# Altium PCB RTM_SFP.PcbDoc (part 4 of 17)
Units mil, origin at the board's own origin, x right, y up, seen from the top; angles counter-clockwise.
Board outline 7185 x 5846.5 mil, 4 copper layers (Top Layer, MidPlane_1, MidPlane_2, Bottom Layer), stack 63.553 mil thick; 389 components, 333 nets, 1578 pads, 1486 vias.
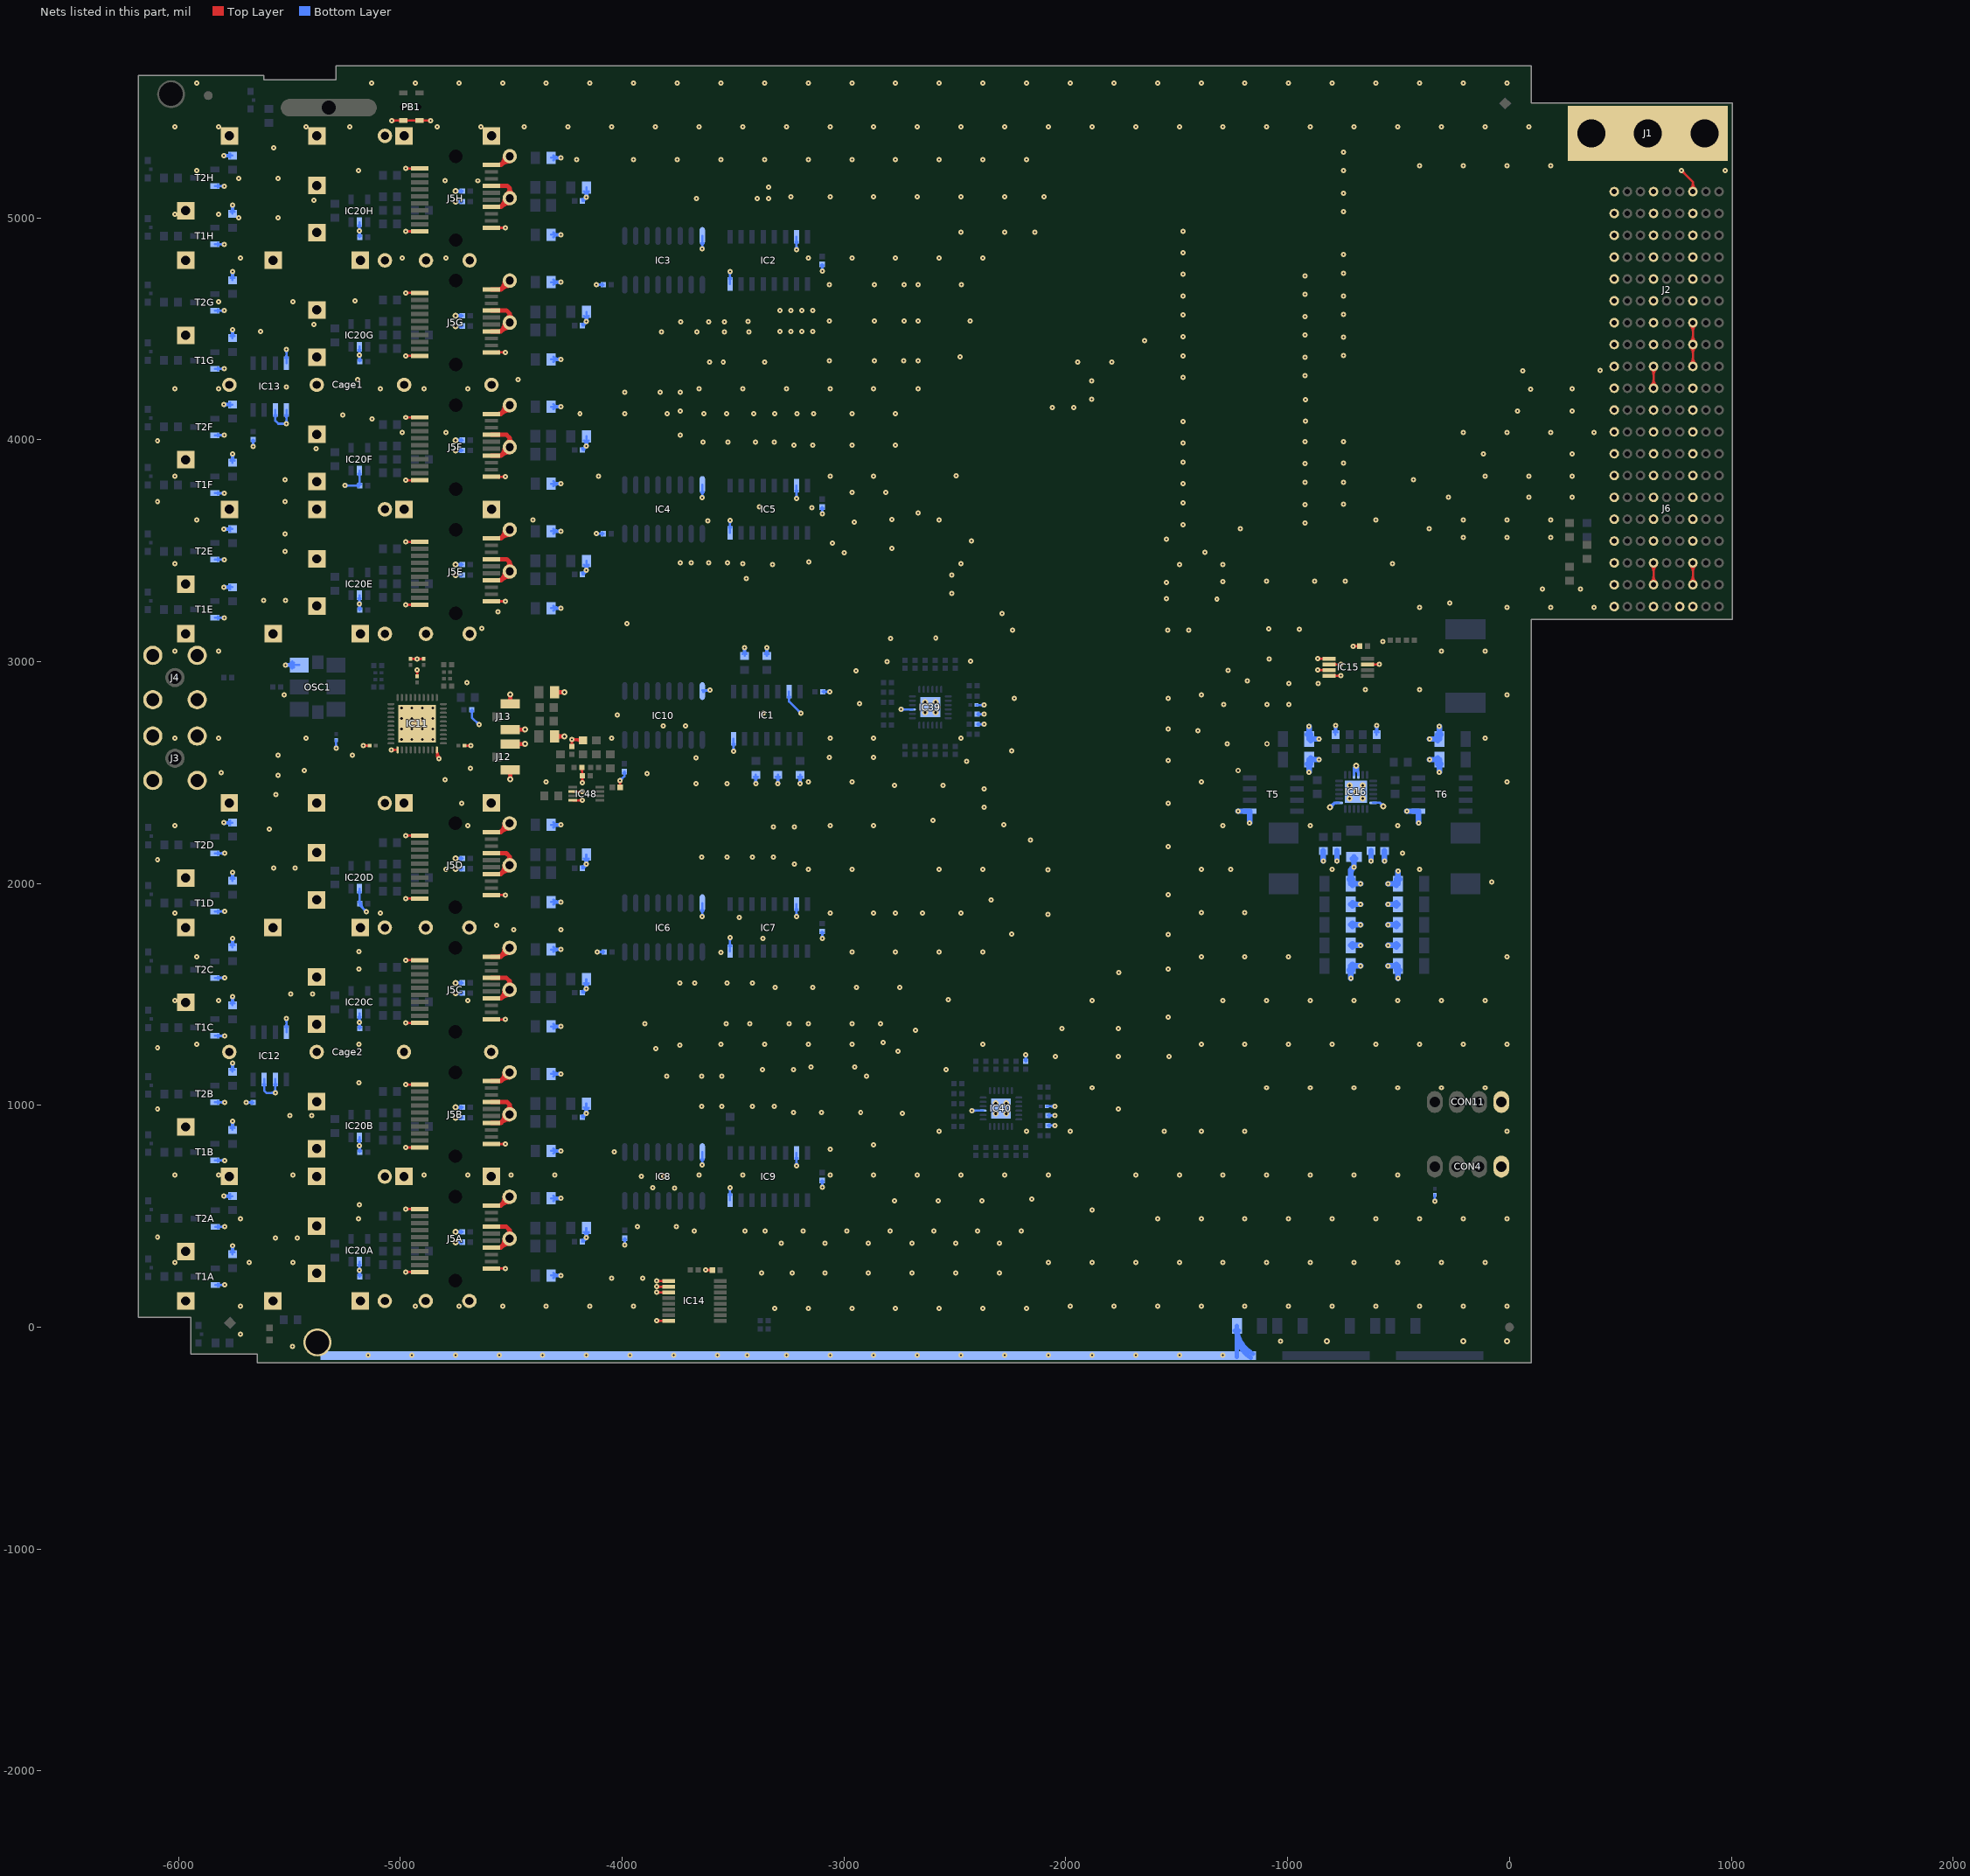
[diagram p6: the nets of this part, all layers, seen from the top]

## Via types
v1: diameter 23.62, hole 7.87, Top Layer to Bottom Layer, tented both sides, 1401 vias
v2: diameter 27.56, hole 11.81, Top Layer to Bottom Layer, tented both sides, 59 vias
v3: diameter 25.98, hole 12.99, Top Layer to Bottom Layer, tented top, 24 vias
v4: diameter 23.62, hole 11.81, Top Layer to Bottom Layer, tented both sides, 2 vias

## Nets (pads, with @x,y where several pads share a name; then routed paths per layer and width w, separated by ;. In a path a pad name is that pad's centre, name@x,y a point inside that pad or via, vN(x,y) a via of type N, cw(c..) or ccw(c..) an arc to the next point about the centre after c; other vN are vias at no path point) (continued)
GND: (continued)
  Bottom Layer w10: T1E.2@-5836.61,3197.84 v1(-5793.7,3197.84) ; T2E.2@-5836.61,3459.65 v1(-5793.7,3459.65) ; T1F.2@-5836.61,3758.86 v1(-5793.7,3758.86) ; T2F.2@-5836.61,4020.67 v1(-5793.7,4020.67) ; T1G.2@-5836.61,4319.88 v1(-5793.7,4319.88) ; T2G.2@-5836.61,4581.69 v1(-5793.7,4581.69) ; T1H.2@-5836.61,4880.91 v1(-5793.7,4880.91) ; T2H.2@-5836.61,5142.72 v1(-5793.7,5142.72) ; T1B.2@-5835.63,751.97 v1(-5792.72,751.97) ; T2B.2@-5835.63,1013.78 v1(-5792.72,1013.78) ; T1C.2@-5835.63,1312.99 v1(-5792.72,1312.99) ; T2C.2@-5835.63,1574.8 v1(-5792.72,1574.8) ; T1D.2@-5835.63,1874.02 v1(-5792.72,1874.02) ; T2D.2@-5835.63,2135.83 v1(-5792.72,2135.83) ; T1A.2@-5835.06,190.9 v1(-5792.14,190.9) ; T2A.2@-5835.06,452.71 v1(-5792.14,452.71) ; T1E.2@-5823.23,3192.32 cw(c-5809.92,3179.02) -5809.92,3197.84 cw(c-5809.92,3216.65) T1E.2@-5823.23,3203.35 ; T2E.2@-5823.23,3454.13 cw(c-5809.92,3440.83) -5809.92,3459.65 cw(c-5809.92,3478.47) T2E.2@-5823.23,3465.16 ; T1F.2@-5823.23,3753.35 cw(c-5809.92,3740.04) -5809.92,3758.86 cw(c-5809.92,3777.68) T1F.2@-5823.23,3764.37 ; T2F.2@-5823.23,4015.16 cw(c-5809.92,4001.85) -5809.92,4020.67 cw(c-5809.92,4039.49) T2F.2@-5823.23,4026.18 ; T1G.2@-5823.23,4314.37 cw(c-5809.92,4301.06) -5809.92,4319.88 cw(c-5809.92,4338.7) T1G.2@-5823.23,4325.39 ; T2G.2@-5823.23,4576.18 cw(c-5809.92,4562.87) -5809.92,4581.69 cw(c-5809.92,4600.51) T2G.2@-5823.23,4587.21 ; T1H.2@-5823.23,4875.39 cw(c-5809.92,4862.09) -5809.92,4880.91 cw(c-5809.92,4899.73) T1H.2@-5823.23,4886.42 ; T2H.2@-5823.23,5137.2 cw(c-5809.92,5123.9) -5809.92,5142.72 cw(c-5809.92,5161.54) T2H.2@-5823.23,5148.23 ; T1B.2@-5822.24,746.46 cw(c-5808.94,733.15) -5808.94,751.97 cw(c-5808.94,770.79) T1B.2@-5822.24,757.48 ; T2B.2@-5822.24,1008.27 cw(c-5808.94,994.96) -5808.94,1013.78 cw(c-5808.94,1032.6) T2B.2@-5822.24,1019.29 ; T1C.2@-5822.24,1307.48 cw(c-5808.94,1294.17) -5808.94,1312.99 cw(c-5808.94,1331.81) T1C.2@-5822.24,1318.5 ; T2C.2@-5822.24,1569.29 cw(c-5808.94,1555.98) -5808.94,1574.8 cw(c-5808.94,1593.62) T2C.2@-5822.24,1580.32 ; T1D.2@-5822.24,1868.5 cw(c-5808.94,1855.2) -5808.94,1874.02 cw(c-5808.94,1892.84) T1D.2@-5822.24,1879.53 ; T2D.2@-5822.24,2130.31 cw(c-5808.94,2117.01) -5808.94,2135.83 cw(c-5808.94,2154.65) T2D.2@-5822.24,2141.34 ; T1A.2@-5821.67,185.38 cw(c-5808.36,172.08) -5808.36,190.9 cw(c-5808.36,209.72) T1A.2@-5821.67,196.41 ; T2A.2@-5821.67,447.2 cw(c-5808.36,433.89) -5808.36,452.71 cw(c-5808.36,471.53) T2A.2@-5821.67,458.22 ; v1(-5795.67,590.5) R10A.1@-5756.69,590.5 ; v1(-5795.67,2273.62) R10D.1@-5756.69,2273.62 ; v1(-5795.67,3335.63) R12E.1@-5756.69,3335.63 ; v1(-5795.67,3597.44) R10E.1@-5756.69,3597.44 ; v1(-5795.67,4158.46) R10F.1@-5756.69,4158.46 ; v1(-5795.67,5280.51) R10H.1@-5756.69,5280.51 ; v1@-5792,584.76 cw(c-5781.7,568.63) -5776.74,587.12 ; v1@-5792,596.24 ccw(c-5781.7,612.37) -5776.74,593.88 ; v1@-5792,2267.88 cw(c-5781.7,2251.75) -5776.74,2270.24 ; v1@-5792,2279.36 ccw(c-5781.7,2295.49) -5776.74,2277 ; v1@-5792,3329.89 cw(c-5781.7,3313.76) -5776.74,3332.25 ; v1@-5792,3341.37 ccw(c-5781.7,3357.5) -5776.74,3339.01 ; v1@-5792,3591.7 cw(c-5781.7,3575.57) -5776.74,3594.06 ; v1@-5792,3603.18 ccw(c-5781.7,3619.31) -5776.74,3600.82 ; v1@-5792,4152.72 cw(c-5781.7,4136.6) -5776.74,4155.08 ; v1@-5792,4164.2 ccw(c-5781.7,4180.33) -5776.74,4161.85 ; v1@-5792,5274.77 cw(c-5781.7,5258.64) -5776.74,5277.13 ; v1@-5792,5286.25 ccw(c-5781.7,5302.38) -5776.74,5283.89 ; v1@-5789.77,587.1 cw(c-5780.36,581.66) -5783.17,592.16 ; v1@-5789.77,593.91 ccw(c-5780.36,599.34) -5783.17,588.84 ; v1@-5789.77,2270.22 cw(c-5780.36,2264.78) -5783.17,2275.28 ; v1@-5789.77,2277.03 ccw(c-5780.36,2282.46) -5783.17,2271.96 ; v1@-5789.77,3332.23 cw(c-5780.36,3326.79) -5783.17,3337.29 ; v1@-5789.77,3339.04 ccw(c-5780.36,3344.47) -5783.17,3333.97 ; v1@-5789.77,3594.04 cw(c-5780.36,3588.6) -5783.17,3599.1 ; v1@-5789.77,3600.85 ccw(c-5780.36,3606.28) -5783.17,3595.78 ; v1@-5789.77,4155.06 cw(c-5780.36,4149.62) -5783.17,4160.12 ; v1@-5789.77,4161.87 ccw(c-5780.36,4167.3) -5783.17,4156.81 ; v1@-5789.77,5277.11 cw(c-5780.36,5271.67) -5783.17,5282.17 ; v1@-5789.77,5283.92 ccw(c-5780.36,5289.35) -5783.17,5278.85 ; R10A.1@-5767.65,581.51 ccw(c-5789.36,559.8) -5789.36,590.5 ccw(c-5789.36,621.2) R10A.1@-5767.65,599.49 ; R10D.1@-5767.65,2264.63 ccw(c-5789.36,2242.92) -5789.36,2273.62 ccw(c-5789.36,2304.32) R10D.1@-5767.65,2282.61 ; R12E.1@-5767.65,3326.64 ccw(c-5789.36,3304.93) -5789.36,3335.63 ccw(c-5789.36,3366.33) R12E.1@-5767.65,3344.62 ; R10E.1@-5767.65,3588.45 ccw(c-5789.36,3566.74) -5789.36,3597.44 ccw(c-5789.36,3628.14) R10E.1@-5767.65,3606.43 ; R10F.1@-5767.65,4149.47 ccw(c-5789.36,4127.76) -5789.36,4158.46 ccw(c-5789.36,4189.16) R10F.1@-5767.65,4167.46 ; R10H.1@-5767.65,5271.52 ccw(c-5789.36,5249.81) -5789.36,5280.51 ccw(c-5789.36,5311.21) R10H.1@-5767.65,5289.5 ; R12A.1@-5765.68,337.68 ccw(c-5787.39,359.39) -5756.69,359.39 ccw(c-5725.99,359.39) R12A.1@-5747.7,337.68 ; R12B.1@-5765.68,898.76 ccw(c-5787.39,920.47) -5756.69,920.47 ccw(c-5725.99,920.47) R12B.1@-5747.7,898.76 ; R10B.1@-5765.68,1160.57 ccw(c-5787.39,1182.28) -5756.69,1182.28 ccw(c-5725.99,1182.28) R10B.1@-5747.7,1160.57 ; R12C.1@-5765.68,1459.78 ccw(c-5787.39,1481.49) -5756.69,1481.49 ccw(c-5725.99,1481.49) R12C.1@-5747.7,1459.78 ; R10C.1@-5765.68,1721.59 ccw(c-5787.39,1743.3) -5756.69,1743.3 ccw(c-5725.99,1743.3) R10C.1@-5747.7,1721.59 ; R12D.1@-5765.68,2020.8 ccw(c-5787.39,2042.51) -5756.69,2042.51 ccw(c-5725.99,2042.51) R12D.1@-5747.7,2020.8 ; R12F.1@-5765.68,3905.65 ccw(c-5787.39,3927.35) -5756.69,3927.35 ccw(c-5725.99,3927.35) R12F.1@-5747.7,3905.65 ; R12G.1@-5765.68,4466.67 ccw(c-5787.39,4488.38) -5756.69,4488.38 ccw(c-5725.99,4488.38) R12G.1@-5747.7,4466.67 ; R10G.1@-5765.68,4728.48 ccw(c-5787.39,4750.19) -5756.69,4750.19 ccw(c-5725.99,4750.19) R10G.1@-5747.7,4728.48 ; R12H.1@-5765.68,5027.69 ccw(c-5787.39,5049.4) -5756.69,5049.4 ccw(c-5725.99,5049.4) R12H.1@-5747.7,5027.69 ; v1@-5762.41,363.97 cw(c-5779.55,352.91) -5759.85,347.63 ; v1@-5762.41,925.05 cw(c-5779.55,913.98) -5759.85,908.7 ; v1@-5762.41,1186.86 cw(c-5779.55,1175.79) -5759.85,1170.51 ; v1@-5762.41,1486.07 cw(c-5779.55,1475) -5759.85,1469.72 ; v1@-5762.41,1747.88 cw(c-5779.55,1736.81) -5759.85,1731.53 ; v1@-5762.41,2047.09 cw(c-5779.55,2036.03) -5759.85,2030.75 ; v1@-5762.41,3931.94 cw(c-5779.55,3920.87) -5759.85,3915.59 ; v1@-5762.41,4492.96 cw(c-5779.55,4481.89) -5759.85,4476.61 ; v1@-5762.41,4754.77 cw(c-5779.55,4743.7) -5759.85,4738.42 ; v1@-5762.41,5053.98 cw(c-5779.55,5042.92) -5759.85,5037.64 ; R12A.1@-5756.69,328.69 v1(-5756.69,367.67) ; R12B.1@-5756.69,889.76 v1(-5756.69,928.74) ; R10B.1@-5756.69,1151.57 v1(-5756.69,1190.55) ; R12C.1@-5756.69,1450.79 v1(-5756.69,1489.76) ; R10C.1@-5756.69,1712.6 v1(-5756.69,1751.57) ; R12D.1@-5756.69,2011.81 v1(-5756.69,2050.79) ; R12F.1@-5756.69,3896.65 v1(-5756.69,3935.63) ; R12G.1@-5756.69,4457.68 v1(-5756.69,4496.65) ; R10G.1@-5756.69,4719.49 v1(-5756.69,4758.46) ; R12H.1@-5756.69,5018.7 v1(-5756.69,5057.68) ; -5753.54,347.63 cw(c-5733.84,352.91) v1@-5750.97,363.97 ; -5753.54,908.7 cw(c-5733.84,913.98) v1@-5750.97,925.05 ; -5753.54,1170.51 cw(c-5733.84,1175.79) v1@-5750.97,1186.86 ; -5753.54,1469.72 cw(c-5733.84,1475) v1@-5750.97,1486.07 ; -5753.54,1731.53 cw(c-5733.84,1736.81) v1@-5750.97,1747.88 ; -5753.54,2030.75 cw(c-5733.84,2036.03) v1@-5750.97,2047.09 ; -5753.54,3915.59 cw(c-5733.84,3920.87) v1@-5750.97,3931.93 ; -5753.54,4476.61 cw(c-5733.84,4481.89) v1@-5750.97,4492.96 ; -5753.54,4738.42 cw(c-5733.84,4743.7) v1@-5750.97,4754.77 ; -5753.54,5037.64 cw(c-5733.84,5042.92) v1@-5750.97,5053.98 ; v1(-5694.65,1012.6) C21.2@-5663.8,1012.6 ; C21.2@-5668.89,1007.5 ccw(c-5681.19,995.2) -5681.19,1012.6 ccw(c-5681.19,1029.99) C21.2@-5668.89,1017.69 ; C25.2@-5668.89,3995.89 cw(c-5681.19,3983.59) -5663.8,3983.59 cw(c-5646.4,3983.59) C25.2@-5658.7,3995.89 ; v1(-5663.8,3970.13) C25.2@-5663.8,4000.99 ; IC12.7@-5618.61,1094.06 cw(c-5630.24,1082.43) -5613.8,1082.43 cw(c-5597.35,1082.43) IC12.7@-5608.98,1094.06 ; IC12.7@-5613.8,1117.58 -5613.8,1065.76 -5604.32,1056.28 v1(-5563.8,1056.28) IC12.6@-5563.8,1117.58 ; IC12.6@-5568.61,1094.06 cw(c-5580.24,1082.43) -5563.8,1082.43 cw(c-5547.35,1082.43) IC12.6@-5558.98,1094.06 ; IC13.6@-5568.61,4109.81 cw(c-5580.24,4098.18) -5563.8,4098.18 cw(c-5547.35,4098.18) IC13.6@-5558.98,4109.81 ; IC13.6@-5563.8,4133.32 -5563.8,4085.84 -5549.98,4072.03 v1(-5513.8,4072.03) IC13.5@-5513.8,4133.32 ; IC12.4@-5518.61,1353.69 ccw(c-5530.24,1365.32) -5513.8,1365.32 ccw(c-5497.35,1365.32) IC12.4@-5508.98,1353.69 ; IC13.5@-5518.61,4109.81 cw(c-5530.24,4098.18) -5513.8,4098.18 cw(c-5497.35,4098.18) IC13.5@-5508.98,4109.81 ; IC13.4@-5518.61,4369.44 ccw(c-5530.24,4381.07) -5513.8,4381.07 ccw(c-5497.35,4381.07) IC13.4@-5508.98,4369.44 ; v1@-5514.31,2978.75 cw(c-5506.09,2964.5) -5501.83,2980.39 cw(c-5497.58,2996.27) v1@-5511.82,2988.05 ; v1@-5514.31,2990.54 ccw(c-5506.09,3004.79) -5501.83,2988.9 ccw(c-5497.58,2973.02) v1@-5511.82,2981.24 ; IC12.4@-5513.8,1330.17 v1(-5513.8,1391.46) ; IC13.4@-5513.8,4345.92 v1(-5513.8,4407.21) ; OSC1.3@-5487.52,2968.65 ccw(c-5517.71,2948.15) v1(-5517.72,2984.65) ; OSC1.3@-5487.52,3000.64 cw(c-5517.71,3021.14) v1(-5517.72,2984.65) ; OSC1.3@-5479.25,2974.27 ccw(c-5498.83,2960.97) -5498.83,2984.65 ccw(c-5498.83,3008.32) OSC1.3@-5479.25,2995.02 ; OSC1.3@-5455.12,2984.65 v1(-5517.72,2984.65) ; v1(-5289.76,2610.24) C391.1@-5289.76,2646.85 ; v1(-5250.39,3793.31) C202F.1@-5184.25,3793.31 ; IC20A.2@-5189.07,280.57 cw(c-5200.69,268.94) -5184.25,268.94 cw(c-5167.81,268.94) IC20A.2@-5179.44,280.57 ; IC20B.2@-5189.07,841.64 cw(c-5200.69,830.01) -5184.25,830.01 cw(c-5167.81,830.01) IC20B.2@-5179.44,841.64 ; IC20C.2@-5189.07,1398.73 cw(c-5200.69,1387.1) -5184.25,1387.1 cw(c-5167.81,1387.1) IC20C.2@-5179.44,1398.73 ; IC20D.2@-5189.07,1961.72 cw(c-5200.69,1950.09) -5184.25,1950.09 cw(c-5167.81,1950.09) IC20D.2@-5179.44,1961.72 ; IC20E.2@-5189.07,3284.55 cw(c-5200.69,3272.93) -5184.25,3272.93 cw(c-5167.81,3272.93) IC20E.2@-5179.44,3284.55 ; IC20F.2@-5189.07,3845.97 cw(c-5200.7,3834.34) -5184.25,3834.34 cw(c-5167.81,3834.34) IC20F.2@-5179.44,3845.97 ; IC20G.2@-5189.07,4405.03 cw(c-5200.7,4393.4) -5184.25,4393.4 cw(c-5167.81,4393.4) IC20G.2@-5179.44,4405.03 ; IC20H.2@-5189.07,4965.66 cw(c-5200.7,4954.03) -5184.25,4954.03 cw(c-5167.81,4954.03) IC20H.2@-5179.44,4965.66 ; C202A.1@-5188.56,233.05 ccw(c-5198.96,243.45) -5184.25,243.45 ; C202B.1@-5188.56,794.07 ccw(c-5198.96,804.47) -5184.25,804.47 ; C202C.1@-5188.56,1351.16 ccw(c-5198.96,1361.56) -5184.25,1361.56 ; C202D.1@-5188.56,1914.15 ccw(c-5198.96,1924.55) -5184.25,1924.55 ; C202E.1@-5188.56,3236.98 ccw(c-5198.96,3247.38) -5184.25,3247.38 ; C202F.1@-5188.56,3788.21 ccw(c-5200.86,3775.91) -5200.86,3793.31 ccw(c-5200.86,3810.7) -5188.56,3798.4 ccw(c-5198.96,3808.8) -5184.25,3808.8 ; C202G.1@-5188.56,4357.46 ccw(c-5198.96,4367.85) -5184.25,4367.85 ; C202H.1@-5188.56,4918.09 ccw(c-5198.96,4928.48) -5184.25,4928.48 ; C202A.1@-5184.25,227.9 IC20A.2@-5184.25,295.23 ; v1@-5184.25,247.25 ccw(c-5164.17,247.25) C202A.1@-5178.37,233.05 ; C202B.1@-5184.25,788.98 IC20B.2@-5184.25,856.3 ; v1@-5184.25,808.27 ccw(c-5164.17,808.27) C202B.1@-5178.37,794.07 ; C202C.1@-5184.25,1346.06 IC20C.2@-5184.25,1413.39 ; v1@-5184.25,1365.36 ccw(c-5164.17,1365.36) C202C.1@-5178.37,1351.16 ; C202D.1@-5184.25,1909.06 IC20D.2@-5184.25,1976.38 ; -5184.25,1928.35 ccw(c-5164.17,1928.35) C202D.1@-5178.37,1914.15 ; C202E.1@-5184.25,3231.89 IC20E.2@-5184.25,3299.21 ; v1@-5184.25,3251.18 ccw(c-5164.17,3251.18) C202E.1@-5178.37,3236.98 ; -5184.25,3812.6 ccw(c-5164.17,3812.6) C202F.1@-5178.37,3798.4 ; IC20F.2@-5184.25,3860.63 C202F.1@-5184.25,3793.31 ; C202G.1@-5184.25,4352.36 IC20G.2@-5184.25,4419.69 ; v1@-5184.25,4371.66 ccw(c-5164.17,4371.66) C202G.1@-5178.37,4357.46 ; C202H.1@-5184.25,4912.99 IC20H.2@-5184.25,4980.32 ; v1@-5184.25,4932.29 ccw(c-5164.17,4932.29) C202H.1@-5178.37,4918.09 ; C202D.1@-5183.46,1909.06 -5183.46,1902.76 v1(-5153.94,1873.23) ; C202F.1@-5183.46,3793.31 C202F.1@-5184.25,3793.31 ; -5182.65,241.28 cw(c-5172.6,243.97) v1@-5179.64,251.63 ; -5182.66,802.32 cw(c-5172.58,805.02) v1@-5179.64,812.7 ; -5182.66,1359.41 cw(c-5172.58,1362.11) v1@-5179.64,1369.79 ; -5182.66,3245.23 cw(c-5172.58,3247.94) v1@-5179.64,3255.62 ; -5182.66,4365.71 cw(c-5172.58,4368.41) v1@-5179.64,4376.09 ; -5182.66,4926.34 cw(c-5172.58,4929.04) v1@-5179.64,4936.72 ; C202D.1@-5176.26,1909.06 ccw(c-5143.66,1909.06) -5166.71,1886 ; R30.1@-4682.38,2778.25 cw(c-4694,2766.63) -4677.56,2766.63 cw(c-4661.12,2766.63) R30.1@-4672.74,2778.25 ; R30.1@-4677.56,2783.07 -4677.56,2748.43 v1(-4645.67,2716.54) ; C219A.2@-4321.43,233.46 v1(-4276.74,233.46) ; C220A.2@-4321.43,580.7 v1(-4276.74,580.7) ; C219B.2@-4321.43,794.48 v1(-4276.74,794.48) ; C220B.2@-4321.43,1141.72 v1(-4276.74,1141.72) ; C219C.2@-4321.43,1355.5 v1(-4276.74,1355.5) ; C220C.2@-4321.43,1702.75 v1(-4276.74,1702.75) ; C219D.2@-4321.43,1916.53 v1(-4276.74,1916.53) ; C220D.2@-4321.43,2263.77 v1(-4276.74,2263.77) ; C219E.2@-4320.87,3240.55 v1(-4276.18,3240.55) ; C220E.2@-4320.87,3587.8 v1(-4276.18,3587.8) ; C219F.2@-4320.87,3801.58 v1(-4276.18,3801.58) ; C220F.2@-4320.87,4148.82 v1(-4276.18,4148.82) ; C219G.2@-4320.87,4362.6 v1(-4276.18,4362.6) ; C220G.2@-4320.87,4709.84 v1(-4276.18,4709.84) ; C219H.2@-4320.87,4923.62 v1(-4276.18,4923.62) ; C220H.2@-4320.87,5270.87 v1(-4276.18,5270.87) ; C219A.2@-4309.79,222.38 cw(c-4283.04,195.63) -4283.04,233.46 cw(c-4283.04,271.29) C219A.2@-4309.79,244.54 ; C220A.2@-4309.79,569.62 cw(c-4283.04,542.87) -4283.04,580.7 cw(c-4283.04,618.53) C220A.2@-4309.79,591.78 ; C219B.2@-4309.79,783.4 cw(c-4283.04,756.65) -4283.04,794.48 cw(c-4283.04,832.31) C219B.2@-4309.79,805.56 ; C220B.2@-4309.79,1130.64 cw(c-4283.04,1103.9) -4283.04,1141.72 cw(c-4283.04,1179.55) C220B.2@-4309.79,1152.8 ; C219C.2@-4309.79,1344.42 cw(c-4283.04,1317.68) -4283.04,1355.5 cw(c-4283.04,1393.33) C219C.2@-4309.79,1366.58 ; C220C.2@-4309.79,1691.67 cw(c-4283.04,1664.92) -4283.04,1702.75 cw(c-4283.04,1740.58) C220C.2@-4309.79,1713.83 ; C219D.2@-4309.79,1905.45 cw(c-4283.04,1878.7) -4283.04,1916.53 cw(c-4283.04,1954.36) C219D.2@-4309.79,1927.61 ; C220D.2@-4309.79,2252.69 cw(c-4283.04,2225.94) -4283.04,2263.77 cw(c-4283.04,2301.6) C220D.2@-4309.79,2274.85 ; C219E.2@-4309.79,3229.47 cw(c-4283.04,3202.72) -4283.04,3240.55 cw(c-4283.04,3278.38) C219E.2@-4309.79,3251.63 ; C220E.2@-4309.79,3576.72 cw(c-4283.04,3549.97) -4283.04,3587.8 cw(c-4283.04,3625.62) C220E.2@-4309.79,3598.88 ; C219F.2@-4309.79,3790.5 cw(c-4283.04,3763.75) -4283.04,3801.58 cw(c-4283.04,3839.4) C219F.2@-4309.79,3812.65 ; C220F.2@-4309.79,4137.74 cw(c-4283.04,4110.99) -4283.04,4148.82 cw(c-4283.04,4186.65) C220F.2@-4309.79,4159.9 ; C219G.2@-4309.79,4351.52 cw(c-4283.04,4324.77) -4283.04,4362.6 cw(c-4283.04,4400.43) C219G.2@-4309.79,4373.68 ; C220G.2@-4309.79,4698.76 cw(c-4283.04,4672.01) -4283.04,4709.84 cw(c-4283.04,4747.67) C220G.2@-4309.79,4720.92 ; C219H.2@-4309.79,4912.54 cw(c-4283.04,4885.79) -4283.04,4923.62 cw(c-4283.04,4961.45) C219H.2@-4309.79,4934.7 ; C220H.2@-4309.79,5259.79 cw(c-4283.04,5233.04) -4283.04,5270.87 cw(c-4283.04,5308.7) C220H.2@-4309.79,5281.95 ; -4296.85,229.76 cw(c-4291.15,208.5) v1@-4280.15,227.56 ; -4296.85,237.16 ccw(c-4291.15,258.41) v1@-4280.15,239.35 ; -4296.85,577 cw(c-4291.15,555.74) v1@-4280.15,574.8 ; -4296.85,584.4 ccw(c-4291.15,605.66) v1@-4280.15,586.6 ; -4296.85,790.78 cw(c-4291.15,769.52) v1@-4280.15,788.58 ; -4296.85,798.18 ccw(c-4291.15,819.44) v1@-4280.15,800.38 ; -4296.85,1138.02 cw(c-4291.15,1116.77) v1@-4280.15,1135.83 ; -4296.85,1145.42 ccw(c-4291.15,1166.68) v1@-4280.15,1147.62 ; -4296.85,1351.8 cw(c-4291.15,1330.55) v1@-4280.15,1349.61 ; -4296.85,1359.2 ccw(c-4291.15,1380.46) v1@-4280.15,1361.4 ; -4296.85,1699.05 cw(c-4291.15,1677.79) v1@-4280.15,1696.85 ; -4296.85,1706.45 ccw(c-4291.15,1727.71) v1@-4280.15,1708.65 ; -4296.85,1912.83 cw(c-4291.15,1891.57) v1@-4280.15,1910.63 ; -4296.85,1920.23 ccw(c-4291.15,1941.49) v1@-4280.15,1922.43 ; -4296.85,2260.07 cw(c-4291.15,2238.82) v1@-4280.15,2257.87 ; -4296.85,2267.47 ccw(c-4291.15,2288.73) v1@-4280.15,2269.67 ; -4296.66,3236.9 cw(c-4290.84,3215.17) v1@-4279.59,3234.65 ; -4296.66,3244.2 ccw(c-4290.84,3265.94) v1@-4279.59,3246.45 ; -4296.66,3584.14 cw(c-4290.84,3562.41) v1@-4279.59,3581.9 ; -4296.66,3591.45 ccw(c-4290.84,3613.18) v1@-4279.59,3593.69 ; -4296.66,3797.92 cw(c-4290.84,3776.19) v1@-4279.59,3795.68 ; -4296.66,3805.23 ccw(c-4290.84,3826.96) v1@-4279.59,3807.47 ; -4296.66,4145.17 cw(c-4290.84,4123.43) v1@-4279.59,4142.92 ; -4296.66,4152.47 ccw(c-4290.84,4174.2) v1@-4279.59,4154.72 ; -4296.66,4358.95 cw(c-4290.84,4337.21) v1@-4279.59,4356.7 ; -4296.66,4366.25 ccw(c-4290.84,4387.98) v1@-4279.59,4368.5 ; -4296.66,4706.19 cw(c-4290.84,4684.46) v1@-4279.59,4703.94 ; -4296.66,4713.49 ccw(c-4290.84,4735.23) v1@-4279.59,4715.74 ; -4296.66,4919.97 cw(c-4290.84,4898.24) v1@-4279.59,4917.72 ; -4296.66,4927.27 ccw(c-4290.84,4949.01) v1@-4279.59,4929.52 ; -4296.66,5267.22 cw(c-4290.84,5245.48) v1@-4279.59,5264.97 ; -4296.66,5274.52 ccw(c-4290.84,5296.25) v1@-4279.59,5276.77 ; -4289.25,231.79 ccw(c-4292.06,242.3) v1@-4282.64,236.86 ; -4289.25,235.12 cw(c-4292.06,224.61) v1@-4282.64,230.05 ; -4289.25,579.04 ccw(c-4292.06,589.55) v1@-4282.64,584.11 ; -4289.25,582.36 cw(c-4292.06,571.86) v1@-4282.64,577.29 ; -4289.25,792.82 ccw(c-4292.06,803.33) v1@-4282.64,797.89 ; -4289.25,796.14 cw(c-4292.06,785.64) v1@-4282.64,791.07 ; -4289.25,1140.06 ccw(c-4292.06,1150.57) v1@-4282.64,1145.13 ; -4289.25,1143.39 cw(c-4292.06,1132.88) v1@-4282.64,1138.32 ; -4289.25,1353.84 ccw(c-4292.06,1364.35) v1@-4282.64,1358.91 ; -4289.25,1357.17 cw(c-4292.06,1346.66) v1@-4282.64,1352.1 ; -4289.25,1701.08 ccw(c-4292.06,1711.59) v1@-4282.64,1706.15 ; -4289.25,1704.41 cw(c-4292.06,1693.9) v1@-4282.64,1699.34 ; -4289.25,1914.86 ccw(c-4292.06,1925.37) v1@-4282.64,1919.93 ; -4289.25,1918.19 cw(c-4292.06,1907.68) v1@-4282.64,1913.12 ; -4289.25,2262.11 ccw(c-4292.06,2272.62) v1@-4282.64,2267.18 ; -4289.25,2265.44 cw(c-4292.06,2254.93) v1@-4282.64,2260.37 ; -4288.39,3239.12 ccw(c-4291.07,3249.15) v1@-4282.08,3243.96 ; -4288.39,3241.98 cw(c-4291.07,3231.95) v1@-4282.08,3237.15 ; -4288.39,3586.36 ccw(c-4291.07,3596.39) v1@-4282.08,3591.2 ; -4288.39,3589.23 cw(c-4291.07,3579.2) v1@-4282.08,3584.39 ; -4288.39,3800.14 ccw(c-4291.07,3810.17) v1@-4282.08,3804.98 ; -4288.39,3803.01 cw(c-4291.07,3792.98) v1@-4282.08,3798.17 ; -4288.39,4147.39 ccw(c-4291.07,4157.42) v1@-4282.08,4152.22 ; -4288.39,4150.25 cw(c-4291.07,4140.22) v1@-4282.08,4145.41 ; -4288.39,4361.17 ccw(c-4291.07,4371.2) v1@-4282.08,4366 ; -4288.39,4364.03 cw(c-4291.07,4354) v1@-4282.08,4359.19 ; -4288.39,4708.41 ccw(c-4291.07,4718.44) v1@-4282.08,4713.25 ; -4288.39,4711.28 cw(c-4291.07,4701.24) v1@-4282.08,4706.44 ; -4288.39,4922.19 ccw(c-4291.07,4932.22) v1@-4282.08,4927.03 ; -4288.39,4925.06 cw(c-4291.07,4915.02) v1@-4282.08,4920.22 ; -4288.39,5269.43 ccw(c-4291.07,5279.47) v1@-4282.08,5274.27 ; -4288.39,5272.3 cw(c-4291.07,5262.27) v1@-4282.08,5267.46 ; C186A.2@-4180.42,392.58 ccw(c-4182.47,409.05) v1@-4168.1,400.75 ; C186B.2@-4180.08,953.6 ccw(c-4182.08,968.69) v1@-4168.9,961.08 ; C186C.2@-4180.08,1514.62 ccw(c-4182.09,1529.71) v1@-4168.9,1522.1 ; C186D.2@-4180.08,2075.65 ccw(c-4182.09,2090.74) v1@-4168.9,2083.13 ; C186F.2@-4179.98,3960.7 ccw(c-4181.9,3976.98) v1@-4167.71,3968.78 ; C186G.2@-4179.98,4521.72 ccw(c-4181.9,4538) v1@-4167.71,4529.81 ; C186E.2@-4179.87,3400.08 ccw(c-4181.49,3415.91) v1@-4167.71,3407.95 ; C186A.2@-4179.8,385.71 v1@-4161.98,403.54 ; C186H.2@-4179.76,5083.16 ccw(c-4181.06,5098.01) v1@-4168.15,5090.56 ; C186B.2@-4179.69,946.84 v1(-4161.98,964.56) ; C186C.2@-4179.69,1507.87 v1(-4161.98,1525.58) ; C186D.2@-4179.69,2068.89 v1(-4161.98,2086.61) C13D.2@-4161.98,2129.91 ; C186A.2@-4179.53,392.64 ccw(c-4179.53,408.7) C186A.2@-4168.17,397.34 ; C186B.2@-4179.13,953.66 ccw(c-4179.13,968.77) C186B.2@-4168.45,958.09 ; C186C.2@-4179.13,1514.69 ccw(c-4179.13,1529.8) C186C.2@-4168.45,1519.11 ; C186D.2@-4179.13,2075.71 ccw(c-4179.13,2090.82) 